# Altium PCB Motor Interface.PcbDoc (part 1 of 2)
Units mm, origin at the board's own origin, x right, y up, seen from the top; angles counter-clockwise.
Board outline 100 x 100 mm, 2 copper layers (Top Layer, Bottom Layer); 126 components, 84 nets, 401 pads, 309 vias.
Unrouted connection lines stored in the file: 76.
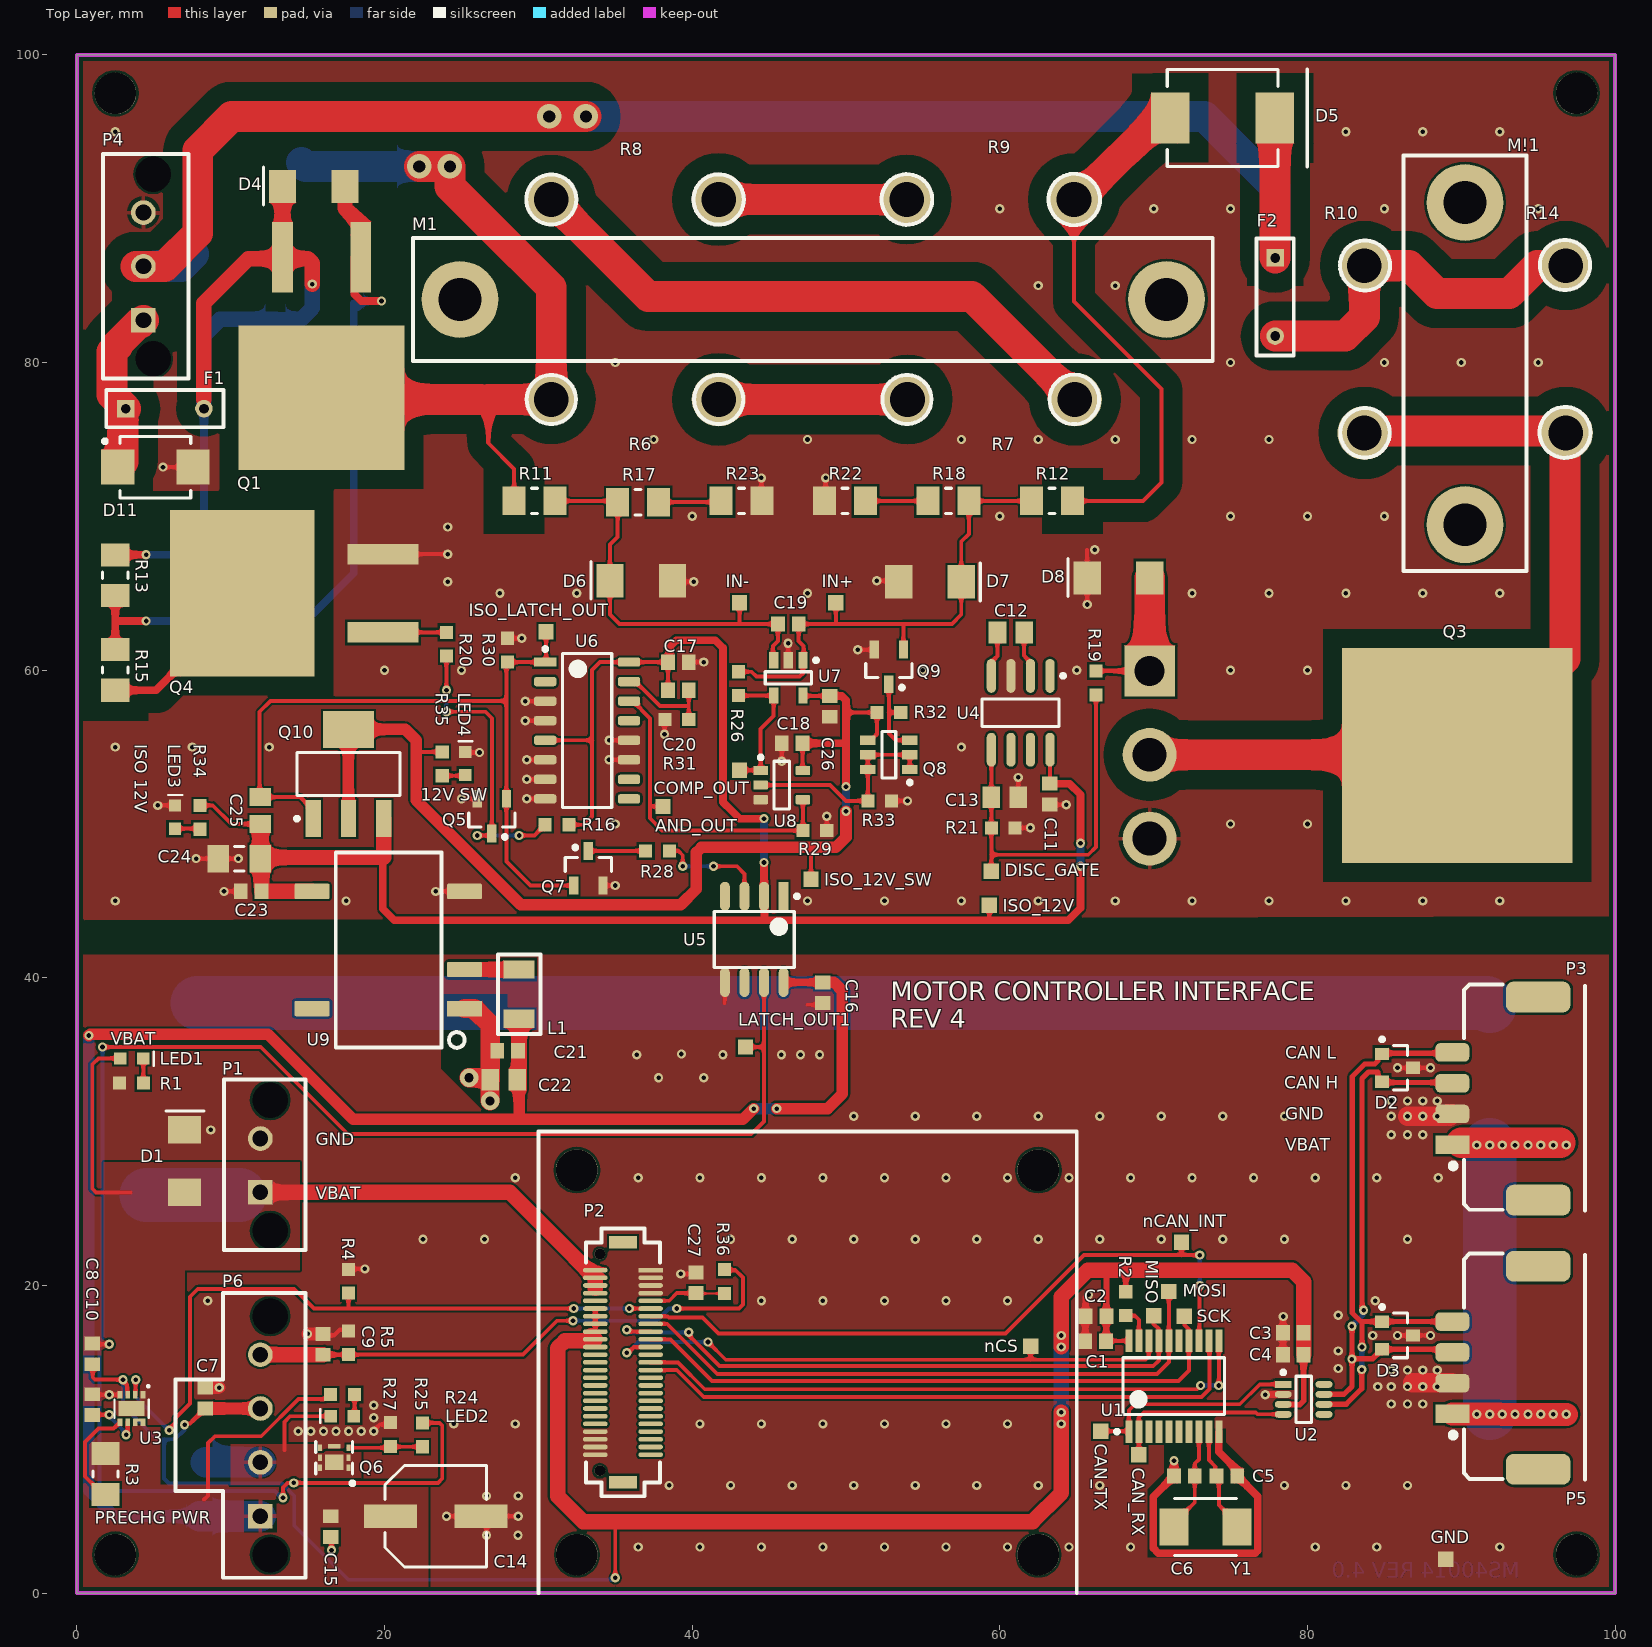
[diagram p0: Top Layer view]
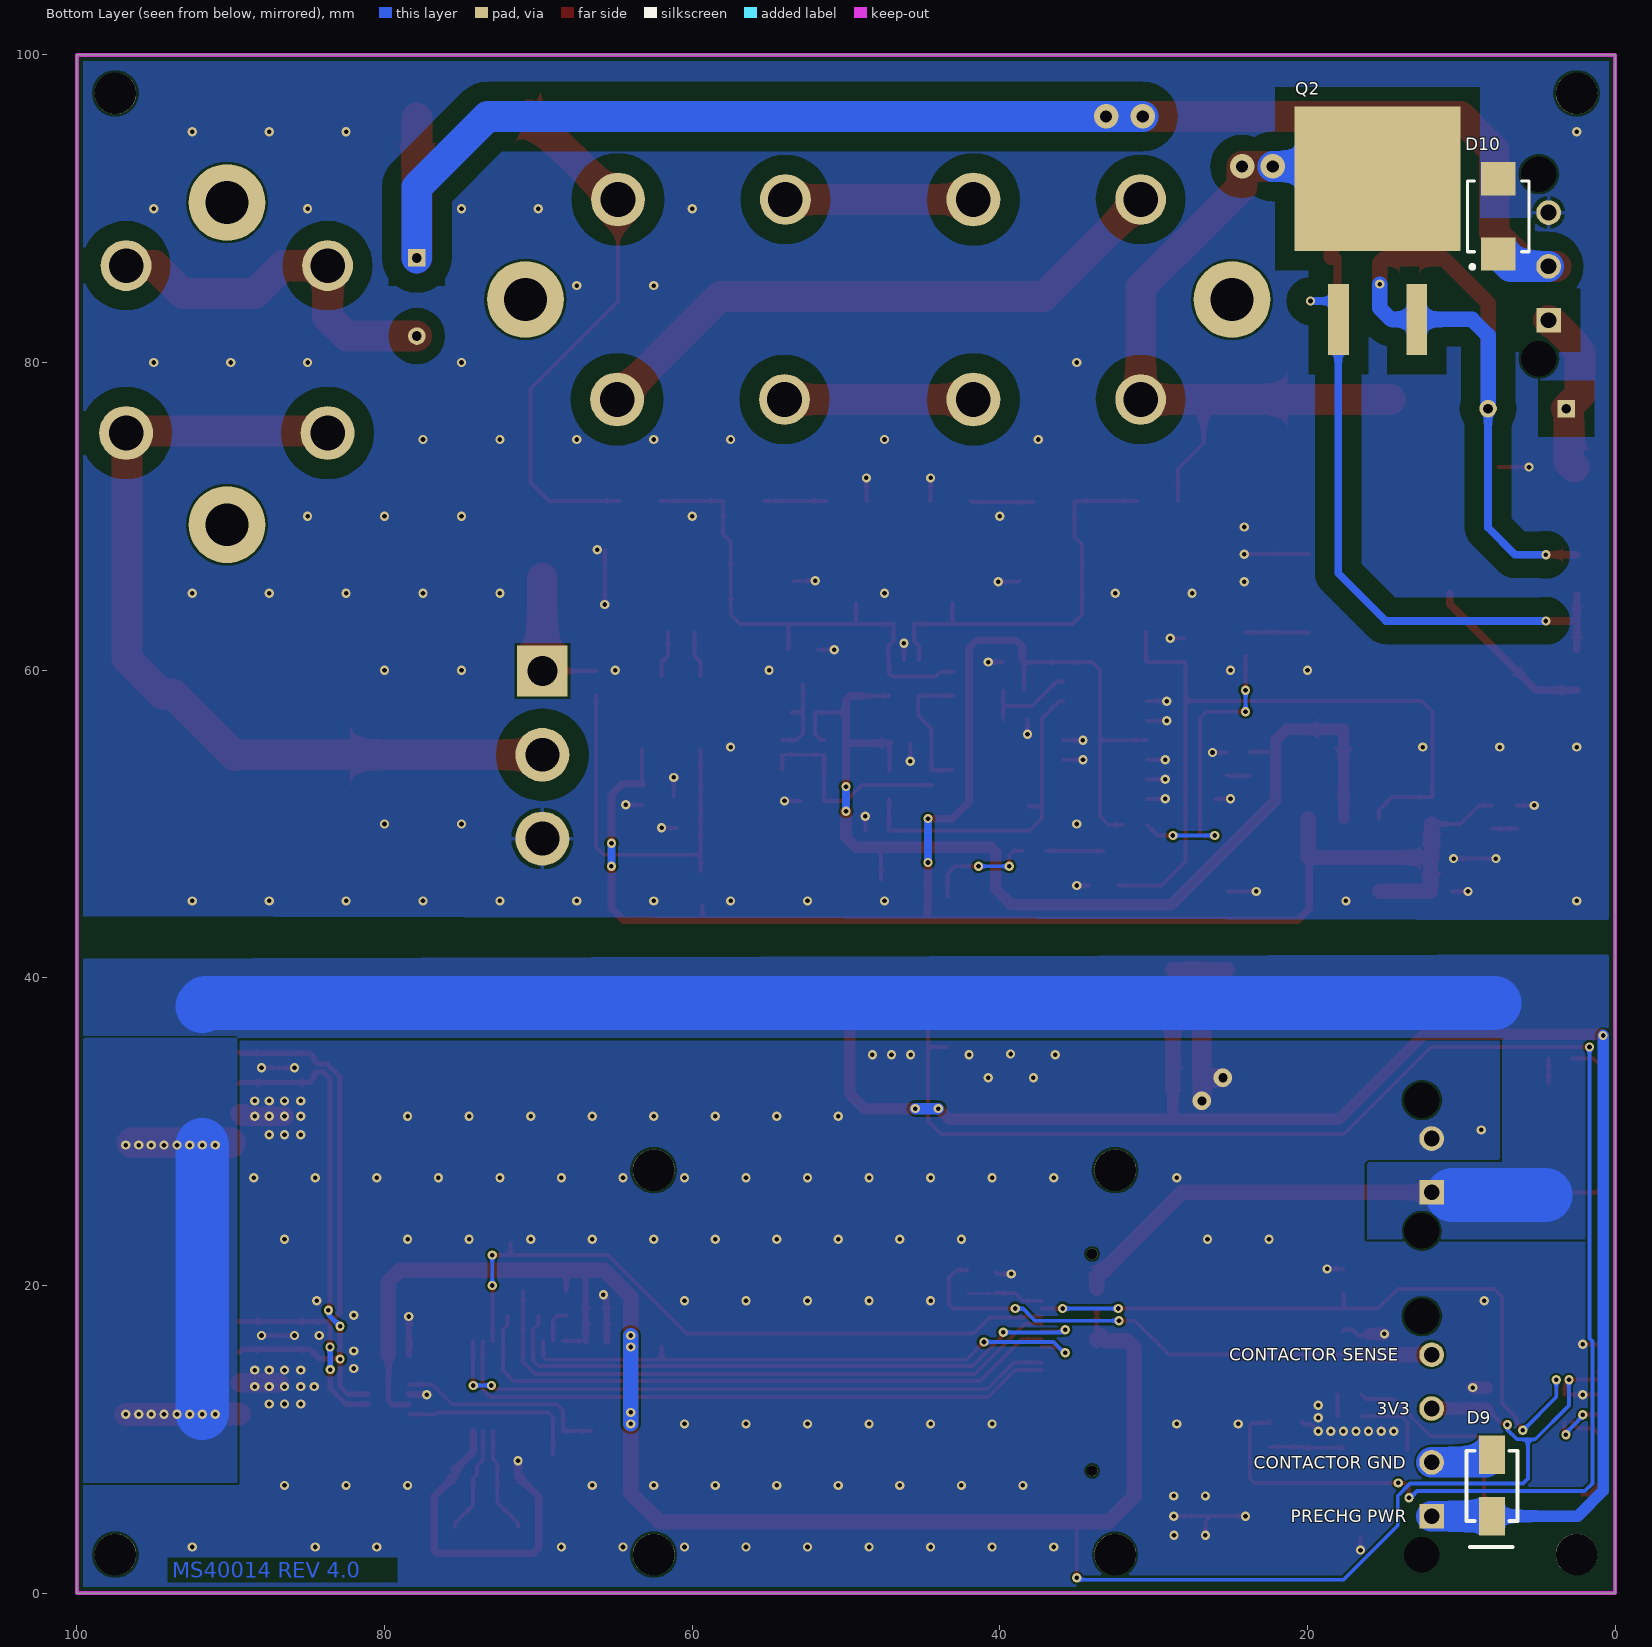
[diagram p1: Bottom Layer view, seen from below]
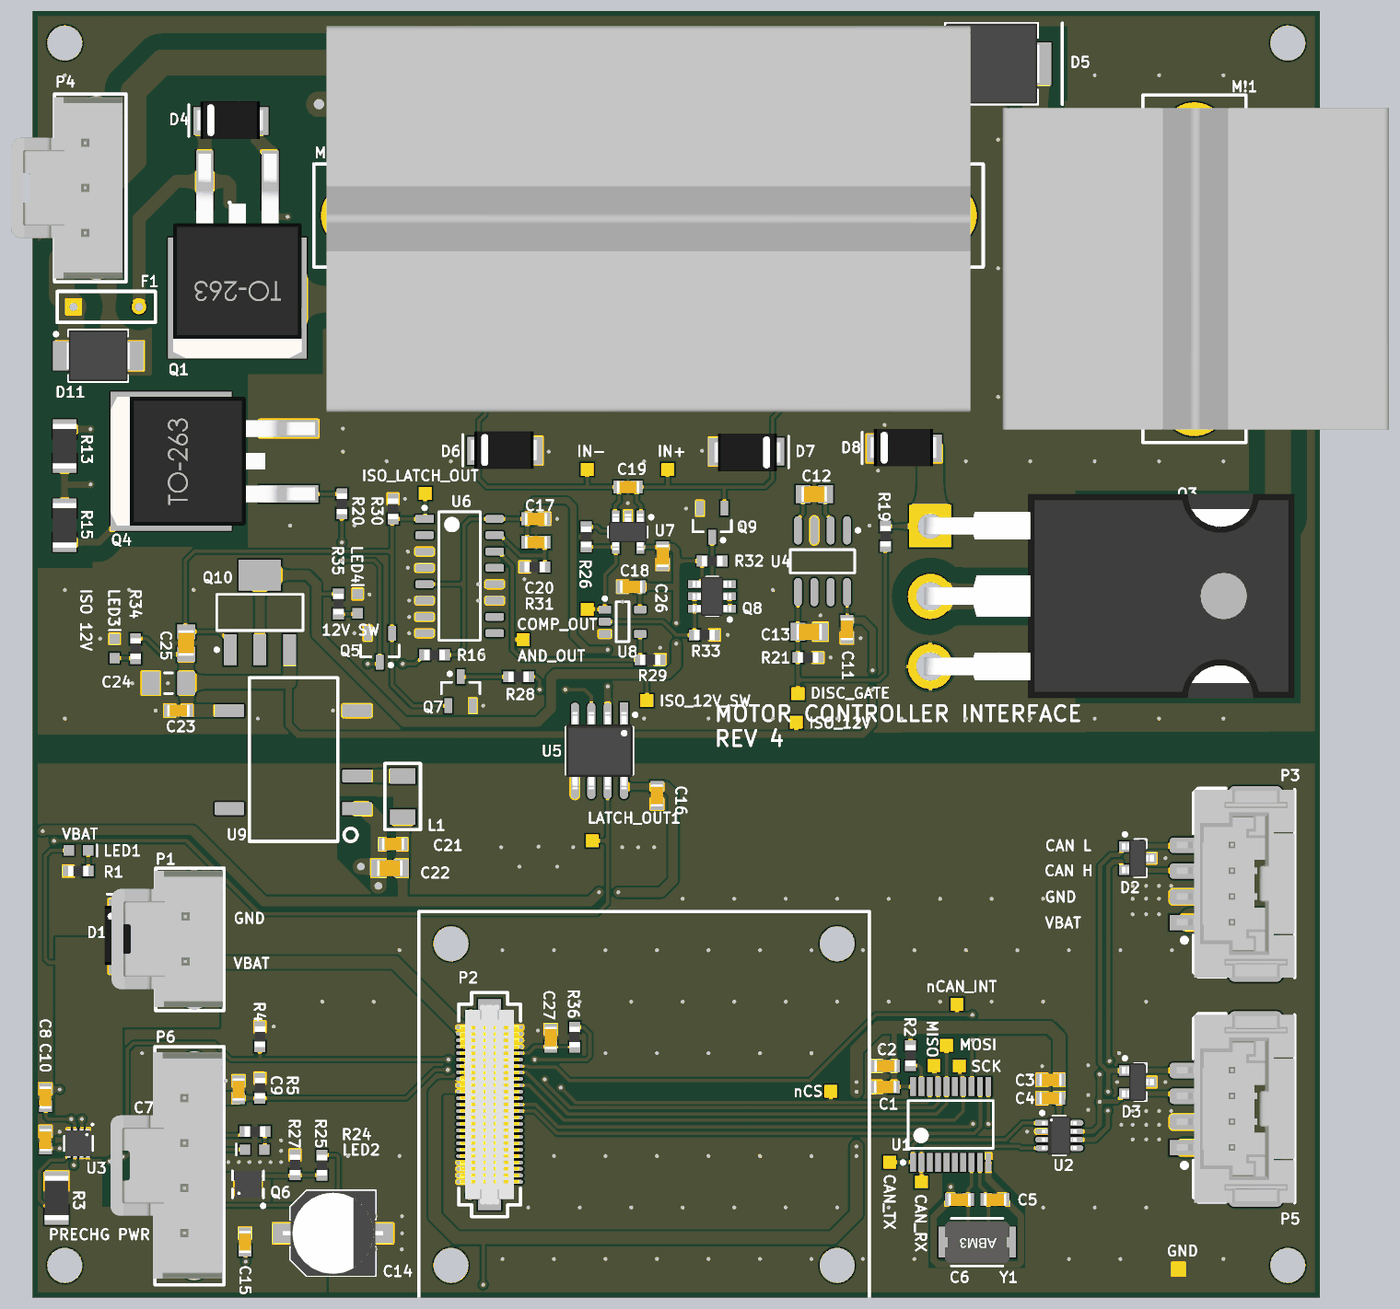
[diagram p3: 3D render of the assembled board from above, using the file's embedded part models]
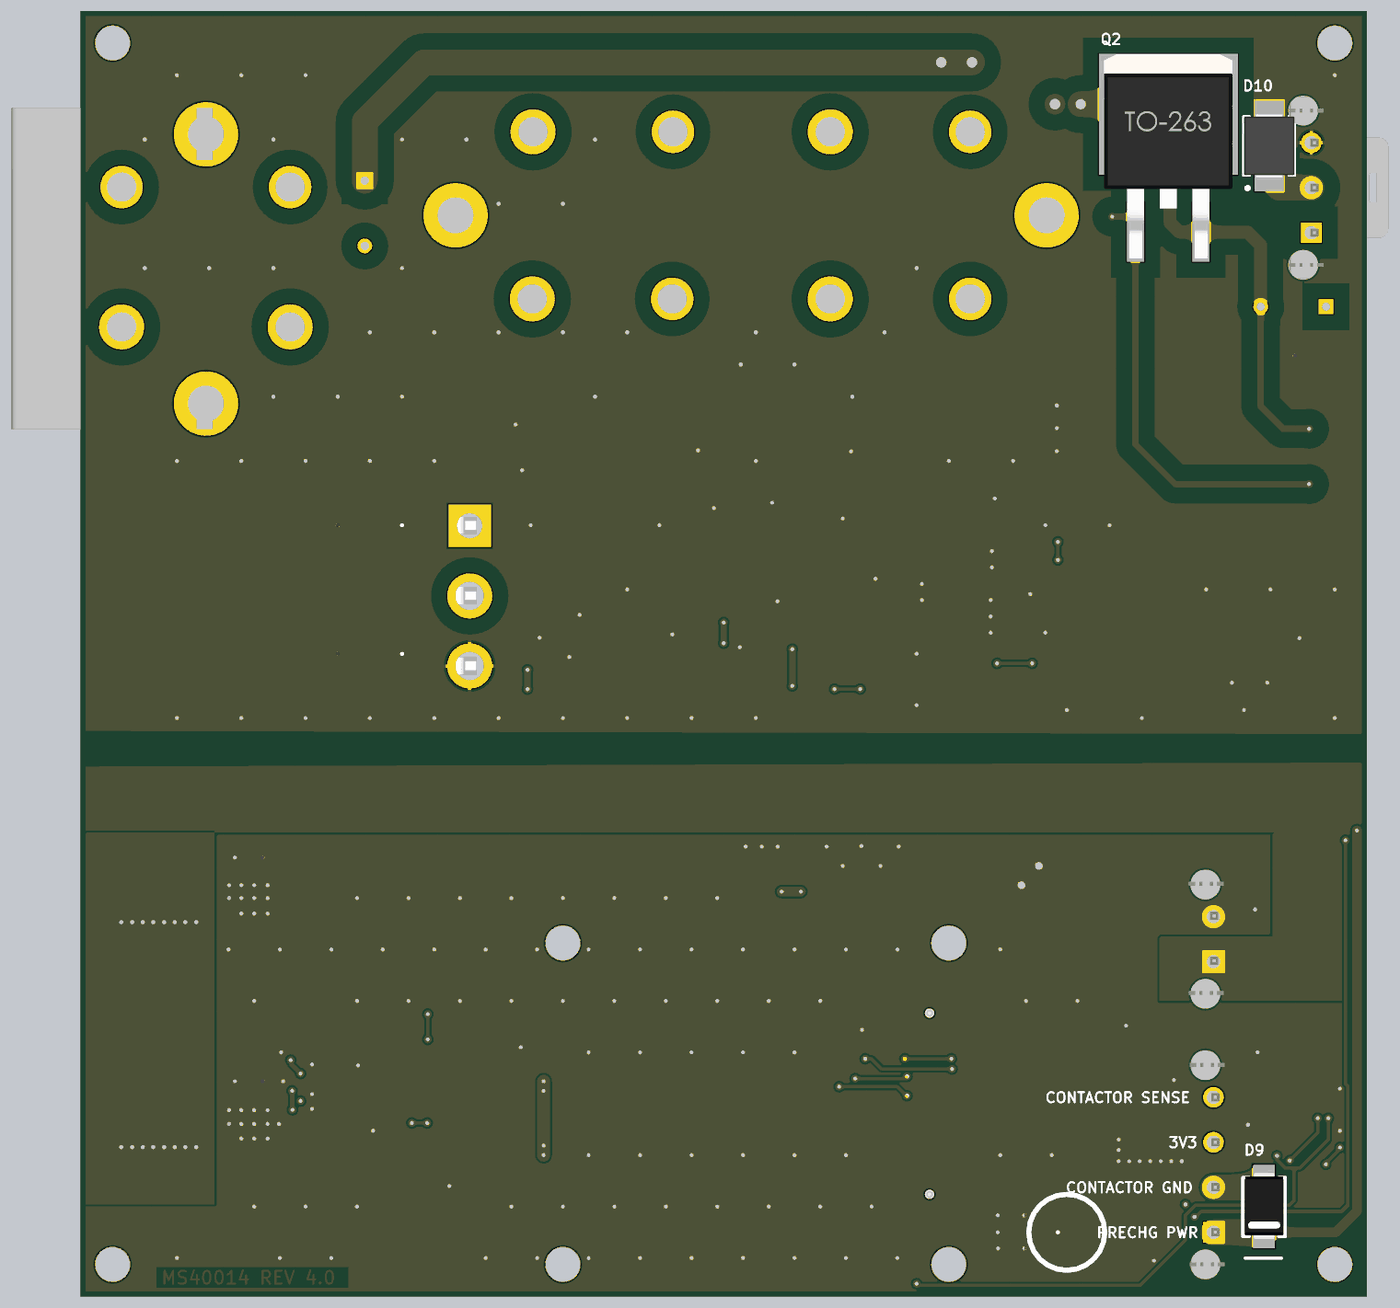
[diagram p4: 3D render of the assembled board from below, using the file's embedded part models]

## Layer stack, top to bottom
Top Solder: solder mask 0.0102, Solder Resist, Dk 3.5
Top Layer: signal copper 0.0356
Dielectric 1: dielectric 0.32, FR-4, Dk 4.8
Bottom Layer: signal copper 0.0356
Bottom Solder: solder mask 0.0102, Solder Resist, Dk 3.5

## Board outline
0,0 0,100 100,100 100,0

## Design rules (kind name [scope] priority, off if disabled: settings)
BoardOutlineClearance [All] p1: gap=0.406 ignorepadtopadclearanceinfootprint=FALSE
Clearance "Schematic Clearance Constraint" [InNetClass('HV') and Not (InNet('IN+') or InNet('IN-')) vs InNet('*')] p1: gap=1.25 ignorepadtopadclearanceinfootprint=TRUE except(0: Text-Text Text-Hole)
Clearance [All] p2: gap=0.152 ignorepadtopadclearanceinfootprint=TRUE except(0: Arc-Hole Track-Hole SMDPad-Hole THPad-Hole Via-Hole Fill-Hole Poly-Hole Region-Hole Text-Hole)
ComponentClearance ComponentClearance_Heatsinks [InComponent('M1') or InComponent('M!1')] p1: gap=0 collisioncheckmode=3 verticalgap=0 showdistances=FALSE
ComponentClearance ComponentClearance_ControllerBoard [InComponent('P2') vs Identifier = 'Controller_Board'] p2: gap=0 collisioncheckmode=3 verticalgap=0 showdistances=FALSE
ComponentClearance ComponentClearance_Standoffs [Identifier = 'Standoff' vs Identifier = 'Controller_Board'] p3: gap=0 collisioncheckmode=3 verticalgap=0 showdistances=FALSE
ComponentClearance [All] p4: gap=0.254 collisioncheckmode=3 verticalgap=0.254 showdistances=FALSE
DiffPairsRouting [InDifferentialPair('MOTOR_CONTROLLER_CAN')] p1: maxlimit=0.5 minlimit=0.152 mostfreqgap=0.152 toplayer_minwidth=0.093 toplayer_maxwidth=1 toplayer_prefwidth=0.34 bottomlayer_minwidth=0.093 bottomlayer_maxwidth=1 bottomlayer_prefwidth=0.34 maxuncoupledlength=12.7
Height [All] p1: minheight=0 maxheight=200 prefheight=12.7
HoleSize [All] p1: absolutevalues=TRUE maxlimit=6.3 minlimit=0.3 maxpercent=80.000 minpercent=20.000
MinimumAnnularRing [All] p1: minimumring=0.05
MinimumSolderMaskSliver [All] p1: minsoldermaskwidth=0
PolygonConnect [IsPad and OnMultiLayer and Not InNet('VBAT') and Not InNet('GND')] p1: connectstyle=Relief reliefconductorwidth=0.254 reliefentries=4 polygonreliefangle="90 Angle" airgapwidth=0.254
PolygonConnect PolygonConnect_NoThermal [IsVia or IsPad] p2: connectstyle=Direct reliefconductorwidth=0.254 reliefentries=4 polygonreliefangle="90 Angle" airgapwidth=0.254
RoutingVias [All] p1: holewidth=0.3 width=0.6 viastyle="Through Hole" minholewidth=0.3 minwidth=0.6 maxholewidth=1 maxwidth=2.5
SilkToSolderMaskClearance [IsPad] p1: minsilkscreentomaskgap=0.178 clearancetoexposedcopper=TRUE
SolderMaskExpansion [All] p1: expansion=0.102
Width [All] p1: maxlimit=10 minlimit=0.152 preferedwidth=0.254
24 further rules are at their usual default settings.

## Classes and differential pairs
net class HV: HV_IN HV_IN_FUSED IN+ IN- MOTOR_CONTROLLER_HV NetD4_1 NetD5_2 NetF2_2 NetQ1_4 NetQ3_2 NetQ4_4 NetR6_2 NetR7_2 NetR8_2
component class "U_Motor Interface - Pre-Charge Logic": AND_OUT C14 C15 C16 C17 C18 C19 C20 C21 C22 C23 C24 C25 C26 COMP_OUT D9 IN+ IN- ISO_12V ISO_12V_SW ISO_LATCH_OUT L1 LATCH_OUT1 LED2 LED3 LED4 Q6 Q7 Q8 Q9 Q10 R24 R25 R26 R27 R28 R29 R30 R31 R32 R33 R34 R35 U5 U6 U7 U8 U9
component class "U_Motor Interface - Pre-Charge Interface": C7 C8 C9 C10 C27 R3 R4 R5 R36 U3
component class "U_Motor Interface - Pre-Charge HV": C11 C12 C13 D4 D5 D6 D7 D8 DISC_GATE F1 F2 M1 M2 M!1 Q1 Q2 Q3 Q4 Q5 R6 R7 R8 R9 R10 R11 R12 R13 R14 R15 R16 R17 R18 R19 R20 R21 R22 R23 U4
component class "U_Motor Interface - Connectors": D1 D2 D3 D10 D11 GND LED1 P1 P2 P3 P4 P5 P6 R1
component class "U_Motor Interface - CAN": C1 C2 C3 C4 C5 C6 CAN_RX CAN_TX MISO MOSI nCAN_INT nCS NSS R2 SCK U1 U2 Y1
differential pair MOTOR_CONTROLLER_CAN: +MOTOR_CONTROLLER_CAN_P -MOTOR_CONTROLLER_CAN_N

## Components (designator, comment, footprint, x,y, rotation, side; value= is the part's Value field where it differs from the comment)
AND_OUT "Test Point" "Test Point" 38.1,51.141 r90 top (schematic designator AND_OUT1)
C1 "CAP CER 0.1UF 50V 10% X7R 0603" "CAP, 0603" 66.232,16.374 r180 top
C2 "CAP CER 1UF 50V 10% X7R 0603" "CAP, 0603" 66.25,18 r180 top
C3 "CAP CER 4.7UF 25V 10% X5R 0603" "CAP, 0603" 79.075,16.915 r0 top
C4 "CAP CER 0.1UF 50V 10% X7R 0603" "CAP, 0603" 79.075,15.5 r0 top
C5 "CAP CER 25PF 50V ±5% C0G/NP0 0603" "CAP, 0603" 74.764,7.616 r0 top
C6 "CAP CER 25PF 50V ±5% C0G/NP0 0603" "CAP, 0603" 71.996,7.616 r180 top
C7 "CAP CER 10nF 50V 5% X7R 0603" "CAP, 0603" 8.333,12.675 r90 top
C8 "CAP CER 0.1UF 50V 10% X7R 0603" "CAP, 0603" 1,15.55 r90 top
C9 "CAP CER 10nF 50V 5% X7R 0603" "CAP, 0603" 16,16.175 r90 top
C10 "CAP CER 6800pF 50V 10% X7R 0603" "CAP, 0603" 1,12.25 r90 top
C11 "CAP CER 2.2UF 25V 10% X5R 0603" "CAP, 0603" 63.25,51.95 r90 top
C12 "CAP CER 10uF 25V 10% X5R 0805" "CAP, 0805" 60.72,62.45 r180 top
C13 "CAP CER 10uF 25V 10% X5R 0805" "CAP, 0805" 60.325,51.75 r0 top
C14 "100UF" "CAP ALUM 6.3MM RADIAL SMD" 23.335,5 r0 top
C15 "CAP CER 0.1UF 50V 10% X7R 0603" "CAP, 0603" 16.5,4.325 r270 top
C16 "CAP CER 0.1UF 50V 10% X7R 0603" "CAP, 0603" 48.5,39.03 r270 top
C17 "CAP CER 0.1UF 50V 10% X7R 0603" "CAP, 0603" 39.104,60.525 r180 top
C18 "CAP CER 0.1UF 50V 10% X7R 0603" "CAP, 0603" 46.5,55.25 r0 top
C19 "CAP CER 680PF 50V C0G/NP0 0603" "CAP, 0603" 46.25,63 r180 top
C20 "CAP CER 1UF 50V 10% X7R 0603" "CAP, 0603" 39.104,58.695 r0 top
C21 "CAP CER 0.1UF 50V 10% X7R 0603" "CAP, 0603" 28,35.25 r180 top
C22 "CAP CER 4.7UF 50V 10% X5R 0805" "CAP, 0805" 27.75,33.381 r0 top value=4.7uF
C23 "CAP CER 0.1UF 50V 10% X7R 0603" "CAP, 0603" 11.325,45.62 r180 top
C24 "CAP CER 2.2UF 100V ±20% X7R 1206" "CAP, 1206" 10.555,47.75 r0 top
C25 "CAP CER 10uF 25V 10% X5R 0805" "CAP, 0805" 11.93,50.875 r90 top
C26 "CAP CER 0.1UF 50V 10% X7R 0603" "CAP, 0603" 48.938,57.65 r90 top
C27 "CAP CER 0.1UF 50V 10% X7R 0603" "CAP, 0603" 40.25,20.175 r90 top
CAN_RX "CAN_RX" "Test Point" 69.039,9 r90 top (schematic designator TP8)
CAN_TX "CAN_TX" "Test Point" 66.566,10.529 r90 top (schematic designator TP7)
COMP_OUT "Test Point" "Test Point" 43.08,53.5 r90 top (schematic designator COMP_OUT1)
D1 "DIODE TVS 15VWM 24.4VC DO-214AA (SMB)" "DO-214AA Diode" 7,26.051 r90 top
D2 "DIODE TVS 24VWM 70VC SOT23" "MOSFET P-CH 30V 3.8A SOT-23" 85.85,34.15 r0 top
D3 "DIODE TVS 24VWM 70VC SOT23" "MOSFET P-CH 30V 3.8A SOT-23" 85.85,16.75 r0 top
D4 "DIODE ZENER 16V 5W DO-214AA (SMB)" "DO-214AA Diode" 17.434,91.449 r180 top
D5 "DIODE GEN PURP 800V 8A SMC" "DIODE S8KC-13 SMC" 74.487,95.9 r180 top
D6 "DIODE ZENER 16V 5W DO-214AA (SMB)" "DO-214AA Diode" 38.718,65.814 r180 top
D7 "DIODE ZENER 16V 5W DO-214AA (SMB)" "DO-214AA Diode" 53.428,65.75 r0 top
D8 "DIODE ZENER 16V 5W DO-214AA (SMB)" "DO-214AA Diode" 69.741,66 r180 top
D9 "DIODE SCHOTTKY 60V 3A SMA" "DIODE, SMA" 8,9 r270 bottom
D10 "TVS DIODE 154V 246V DO214AA" "DIODE TVS TPSMB 600W DO-214AA SMB" 7.6,89.5 r90 bottom
D11 "TVS DIODE 154V 246V DO214AA" "DIODE TVS TPSMB 600W DO-214AA SMB" 5.1,73.2 r0 top
DISC_GATE "Test Point" "Test Point" 59.45,46.926 r90 top (schematic designator DISC_GATE1)
F1 "3A 450VDC" "FUSE 5A 400VDC RADIAL" 3.18,77 r0 top
F2 "3A 450VDC" "FUSE 5A 400VDC RADIAL" 77.9,86.8 r270 top
GND "Test Point" "Test Point" 89,2.205 r90 top (schematic designator TP1)
IN+ "Test Point" "Test Point" 49.338,64.38 r90 top (schematic designator IN+1)
IN- "Test Point" "Test Point" 43.08,64.38 r90 top (schematic designator IN-1)
ISO_12V "Test Point" "Test Point" 59.325,44.713 r90 top (schematic designator ISO_1)
ISO_12V_SW "Test Point" "Test Point" 47.725,46.397 r90 top (schematic designator ISO_2)
ISO_LATCH_OUT "Test Point" "Test Point" 30.5,62.5 r90 top (schematic designator ISO_LATCH_OUT1)
L1 "IND 6.8uH 260mA 20% 1210" "NLFV32T-6R8M-EF/IND 6.8uH" 28.75,37.34 r90 top
LATCH_OUT1 "Test Point" "Test Point" 43.464,35.5 r90 top
LED1 "LED GREEN CLEAR 2V 0603" LED_0603 2.872,34.75 r0 top
LED2 "LED BLUE CLEAR 2.8V 0603" LED_0603 17.95,11.51 r180 top
LED3 "LED BLUE CLEAR 2.8V 0603" LED_0603 6.383,49.75 r90 top
LED4 "LED YELLOW CLEAR 2.1V 0603" LED_0603 25.26,53.236 r90 top
M1 "HEATSINK 4xTO-247" "HEATSINK 4x TO-247" 64.841,90.6 r180 top locked
M!1 "HEATSINK 2xTO-247_1" "HEATSINK 2x TO-247" 90.241,69.46 r90 top
MISO "SPI_MISO" "Test Point" 70,18.028 r90 top (schematic designator TP4)